# Altium PCB Weather_Station_ETH_HERMETIC.PcbDoc (part 3 of 5)
Units mil, origin at the board's own origin, x right, y up, seen from the top; angles counter-clockwise.
Board outline 6385.86 x 4338.61 mil, 2 copper layers (TopLayer, BottomLayer), stack 61.855 mil thick; 510 components, 370 nets, 1634 pads, 870 vias.
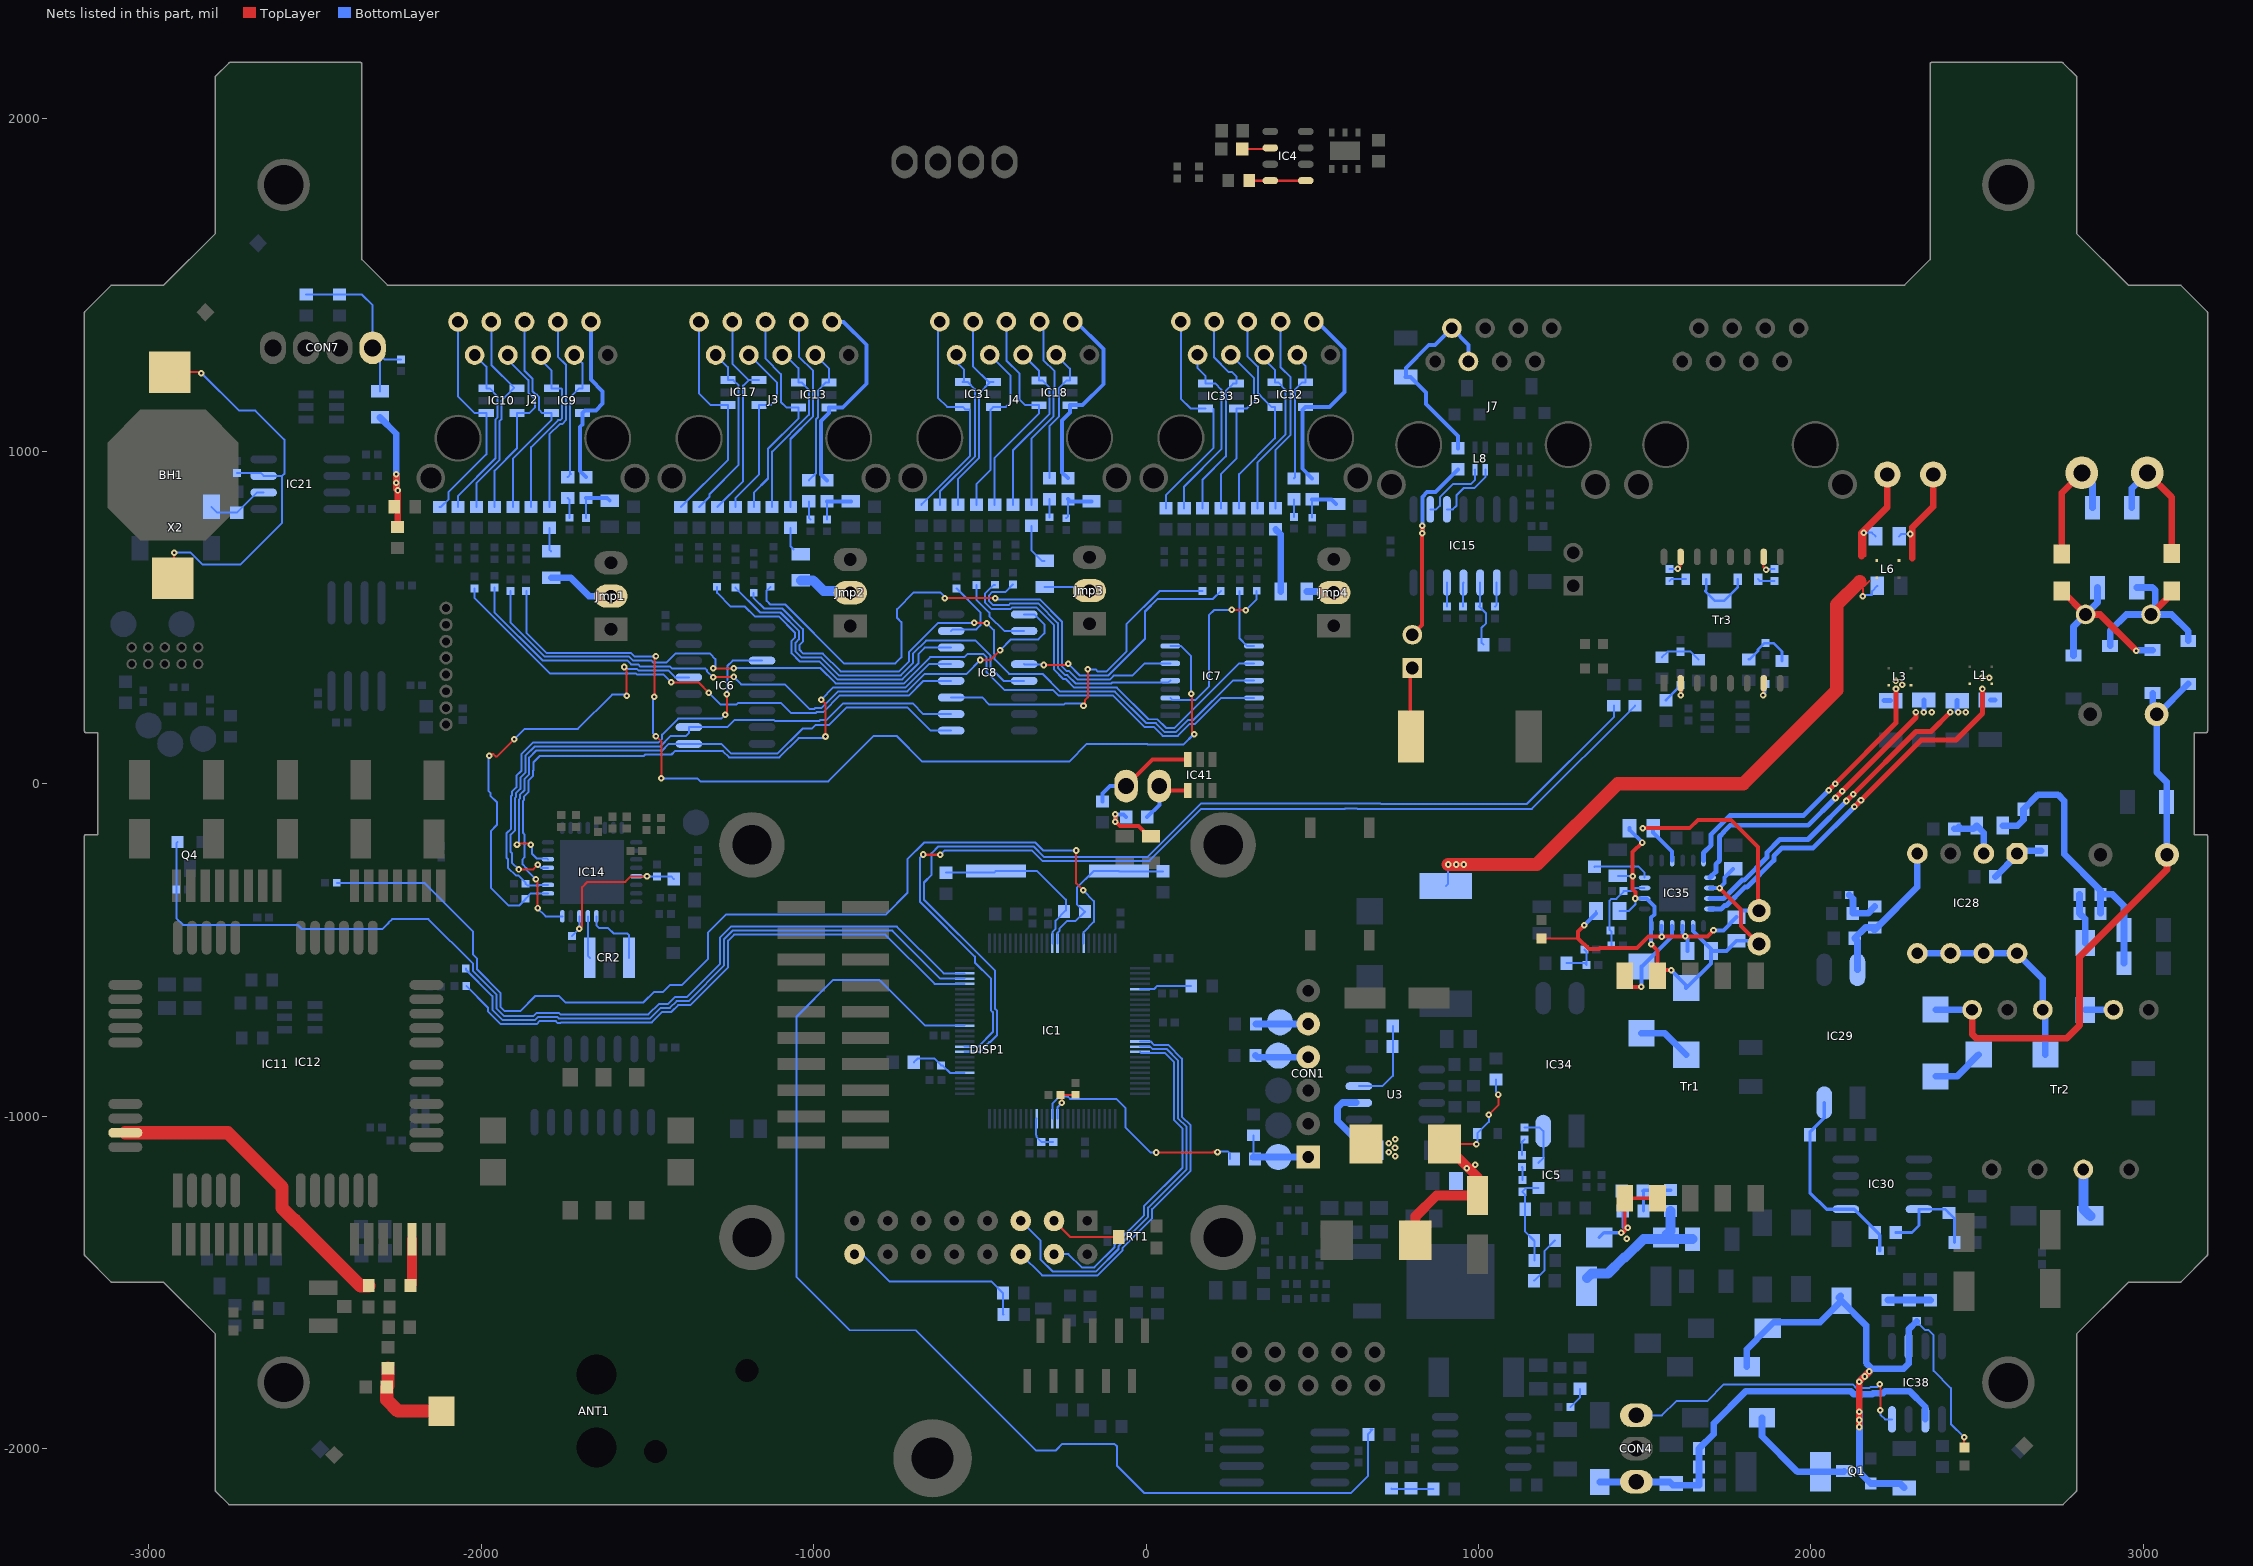
[diagram p3: the nets of this part, all layers, seen from the top]

## Via types
v1: diameter 19.68, hole 7.87, TopLayer to BottomLayer, tented both sides, 857 vias
v2: diameter 31.5, hole 15.75, TopLayer to BottomLayer, tented top, 9 vias
v3: diameter 25.98, hole 12.99, TopLayer to BottomLayer, tented top, 4 vias

## Nets (pads, with @x,y where several pads share a name; then routed paths per layer and width w, separated by ;. In a path a pad name is that pad's centre, name@x,y a point inside that pad or via, vN(x,y) a via of type N, cw(c..) or ccw(c..) an arc to the next point about the centre after c; other vN are vias at no path point) (continued)
LCD_E: DISP1.6 IC1.90 | length 1184
  BottomLayer w6: DISP1.6@-376.66,-1415.1 -312.66,-1479.1 -145.31,-1479.1 -70.8,-1404.59 -70.8,-1396.93 18.5,-1307.63 18.5,-1279.94 134.02,-1164.42 134.02,-1027.55 108,-1001.53 108,-826.97 66.66,-785.63 23.85,-785.63 13.54,-775.32 IC1.90@-18.13,-775.32
LCD_R/W: DISP1.5 IC1.91 | length 1212.3
  BottomLayer w6: DISP1.5@-376.66,-1315.1 -316.66,-1375.1 -316.66,-1431.67 -281.23,-1467.1 -150.28,-1467.1 -82.8,-1399.62 -82.8,-1391.95 6.5,-1302.66 6.5,-1274.97 122.02,-1159.45 122.02,-1032.52 96,-1006.5 96,-831.94 61.69,-797.63 18.88,-797.63 12.32,-791.07 IC1.91@-18.13,-791.07
LCD_RS: DISP1.4 IC1.92 | length 991.4
  BottomLayer w6: DISP1.4@-276.66,-1415.1 -233.23,-1415.1 -193.23,-1455.1 -155.25,-1455.1 -94.8,-1394.65 -94.8,-1386.98 -5.5,-1297.69 -5.5,-1270 110.02,-1154.48 110.02,-1037.49 84,-1011.47 84,-836.91 56.71,-809.63 -15.32,-809.63 IC1.92@-18.13,-806.82
LEDA: IC1.35 R10.2 | length 3086.7
  TopLayer w8: v1(-670,-213) -669,-214 v1(-619,-214)
  BottomLayer w6: v1(-670,-213) -679.84,-222.84 -679.84,-355.16 -515,-520 -515,-537.93 -466,-586.93 -466,-682.35 -460.16,-688.2 -460.16,-746.8 -504.42,-791.07 IC1.35@-545.69,-791.07 ; v1(-619,-214) -605.84,-200.84 -343.01,-200.84 -312.01,-231.84 10.01,-231.84 166.28,-75.57 276.91,-75.57 277.34,-76 598.41,-76 599.25,-75.16 634.75,-75.16 635.59,-76 1160.5,-76 R10.2@1471,234.5
LEDB: IC1.34 R21.2 | length 3050.1
  BottomLayer w6: IC1.34@-545.69,-806.82 -498.82,-806.82 -482.84,-790.84 -482.84,-788.2 -471.8,-777.16 -469.16,-777.16 -448.16,-756.16 -448.16,-683.22 -454,-677.38 -454,-562.62 -667.84,-348.77 -667.84,-297.2 -645,-274.35 -645,-209 -624.84,-188.84 -338.04,-188.84 -307.04,-219.84 5.04,-219.84 164.88,-60 705.88,-60 706.88,-61 1146,-61 1407,200 R21.2@1407,234.5
M\C\L\R\: IC1.13 R4.1 | length 713
  TopLayer w6: v1(31.17,-1109.32) 200.68,-1109.32 203,-1107 214,-1107 v1(215,-1108)
  BottomLayer w6: IC1.13@-281.91,-1007.6 -281.91,-962.26 -260.8,-941.16 -234.84,-941.16 -228,-948 -89.37,-948 -61,-976.37 -61,-1034.62 13.38,-1109 24.17,-1109 24.49,-1109.32 v1(31.17,-1109.32) ; v1(215,-1108) 216,-1107 247,-1107 253.01,-1113.01 R4.1@253.01,-1129
MODEM_POW_ON: IC1.39 R58.1 | length 3603.4
  BottomLayer w6: IC1.39@-545.69,-728.08 -663.92,-728.08 -801.84,-590.16 -940.16,-590.16 -1051.84,-701.84 -1051.84,-1483.17 -891.01,-1644 -692,-1644 -331,-2005 -270.71,-2005 -251.4,-1985.69 -94.87,-1985.69 -87.16,-1993.4 -87.16,-2051.81 -5.97,-2133 617,-2133 668,-2082 668,-1956 681,-1943 680,-1942 675,-1942 R58.1@676,-1943
NetANT1_1: ANT1.1 C46.1 L9.2 | length 275.1
  TopLayer w40: L9.2@-2280,-1757.99 -2280,-1811.5 C46.1@-2283.5,-1815 -2283.5,-1853.5 -2249.95,-1887.05 ANT1.1@-2119.29,-1887.05
NetBH1_pos1: BH1.pos1 BH1.pos2 C34.1 IC21.3 | length 1289.8
  TopLayer w6: BH1.pos2@-2936,1238 -2845,1238 v1(-2842,1235) ; BH1.pos1@-2927,618 -2923,622 v1(-2923,695)
  BottomLayer w6: v1(-2923,695) -2873.72,695 -2838.72,660 -2723,660 -2598.22,784.78 -2598.22,925.78 ; v1(-2842,1235) -2841,1235 -2728,1122 -2679,1122 -2592,1035 -2592,932 -2598.22,925.78 ; C34.1@-2733.69,935 -2663.36,935 IC21.3@-2654.14,925.78 -2598.22,925.78
NetC4_2: C4.2 C32.2 IC1.16 | length 112.9
  BottomLayer w6: IC1.16@-329.15,-1007.6 -330.73,-1009.18 -330.73,-1057.04 -329.15,-1058.62 -329.15,-1063.13 C32.2@-315,-1077.28 C4.2@-279,-1077.28
NetC5_1: C5.1 D20.K L2.1 R111.2 | length 446.4
  BottomLayer w30: L2.1@1326.59,-1487 1339.59,-1474 1389,-1474 1438,-1425 1441,-1425 1496,-1370 C5.1@1644,-1370 ; D20.K@1563.39,-1360 1578,-1345.39 R111.2@1578,-1285.5
NetC6_2: C6.2 IC4.2 | length 85.4
  TopLayer w6: C6.2@289.98,1909 370.57,1909 IC4.2@374,1912.43
NetC12_1: C12.1 C19.1 L4.1 L5.2 R20.2 R31.2 | length 812.3
  TopLayer w6: L5.2@898.11,-1084 991,-1084 992,-1085 v1(994,-1085) ; v1(1031,-996) 1060,-967 v1(1060,-935)
  TopLayer w30: L4.1@811.11,-1384 811.11,-1300.89 873.58,-1238.42 C19.1@997,-1238.42 997,-1182.89 L5.2@898.11,-1084
  BottomLayer w6: v1(994,-1085) 996.49,-1082.51 R31.2@996.49,-1052 1031,-1017.49 v1(1031,-996) ; R20.2@1053,-889.5 1053,-928 v1(1060,-935)
  other v1: 965,-1157 990,-1146
NetC13_2: C13.2 IC35.11 L3.2 | length 956.7
  TopLayer w15: v1(2074,-43) 2316,199 v1(2316,215)
  BottomLayer w15: IC35.11@1696.68,-282.33 1714,-265.01 1714,-242.68 1724.94,-231.74 1724.94,-158.87 1737.34,-146.47 1737.34,-144.65 1756.99,-125 1992,-125 v1(2074,-43) v1(2094,-23) ; v1(2339.57,214.57) C13.2@2339.57,251.48
  other v1: 2364,215
NetC14_1: C14.1 IC35.10 L3.3 | length 931.6
  TopLayer w15: v1(2053.73,-19.27) v1(2073,0) 2256,183 v1(2256,285)
  BottomLayer w15: IC35.10@1676.99,-231.15 1676.99,-208.01 1699.85,-185.15 1699.85,-152.44 1757.29,-95 1978,-95 v1(2073,0) ; C14.1@2220.54,249.54 C14.1@2239.57,249.54
  other v1: 2275,298 2255,309
NetC18_1: C18.1 IC21.2 X2.4 | length 189.1
  BottomLayer w6: X2.4@-2811,833 -2793.5,815.5 C18.1@-2735,815.5 -2674.73,875.78 IC21.2@-2654.14,875.78
NetC21_1: C21.1 J1.2 L6.1 | length 313.5
  TopLayer w20: 2305,679 2305,771 2367.8,833.8 J1.2@2367.8,930
  BottomLayer w6: C21.1@2265.43,744.02 2272.42,751 v1(2299,751)
NetC21_2: C21.2 J1.1 L6.4 | length 398.4
  TopLayer w6: 2164,685 2164,766
  TopLayer w20: 2152,685 2152,754 2164,766 2230,832 J1.1@2230,930
  BottomLayer w6: v1(2159,755) 2183.58,755 C21.2@2194.57,744.02
NetC23_1: C23.1 F3.1 L6.3 | length 1919.3
  TopLayer w6: v1(2156,564) 2156,589 ; 2161,594 2176,609
  TopLayer w40: v1(909,-243) v1(933,-243) v1(956,-243) 1176,-243 1419,0 1797,0 2078,281 2078,539 2147,608
  BottomLayer w6: F3.1@902,-307.83 909,-300.83 v1(909,-243) ; v1(2156,564) 2159,567 2184,567 2184,579.43 C23.1@2199.57,595
NetC29_2: C29.2 FB1.1 IC1.30 | length 176.3
  BottomLayer w6: FB1.1@-698.5,-838 -687.3,-826.8 -635.78,-826.8 -616.28,-846.3 C29.2@-616.28,-848 -611.28,-848 -589.48,-869.81 IC1.30@-545.69,-869.81
NetC30_2: C30.2 C111.2 U3.3 | length 265
  BottomLayer w6: U3.3@640,-910 711,-910 742.5,-878.5 C111.2@742.5,-729
NetC36_1: C36.1 C47.1 C261.1 C264.1 C265.1 C269.1 D21.K IC35.2 IC35.12 IC35.16 IC35.20 R144.1 Tr1.2 | length 1490.7
  TopLayer w12: v1(1471.68,-345.32) 1471.68,-325.68 1464,-318 v1(1464,-278) 1464,-206 v1(1493,-177) ; v1(1520,-483) 1538.39,-501.39 Tr1.2@1538.39,-577.35 1554.75,-561 v1(1580,-561) ; v1(1725.17,-313.83) 1790,-378.65 1790,-428 C36.1@1844,-482
  BottomLayer w6: R144.1@1419,-277.37 v1@1463.37,-277.37 ; C265.1@1424.43,-383 1452,-383 1471.68,-363.32 v1(1471.68,-345.32) ; v1@1519.51,-482.51 v1(1520,-483)
  BottomLayer w12: C264.1@1454.57,-134 1454.57,-138.57 v1(1493,-177) ; v1(1471.68,-345.32) IC35.2@1499.83,-345.32 1505.87,-345.32 1529.54,-368.99 1529.54,-393 1519.51,-403.03 IC35.20@1519.51,-428 v1@1519.51,-482.51 ; v1(1580,-561) 1580,-562 1625,-607 D21.K@1625,-614.76 1699.43,-540.32 C47.1@1699.43,-503 ; IC35.16@1645.5,-428 1645.5,-443.5 1699.43,-497.43 C47.1@1699.43,-503 ; IC35.12@1696.68,-313.83 v1(1725.17,-313.83) 1740,-299 1740,-282 C269.1@1766,-256 ; C36.1@1844,-482 1834.43,-472.43 C261.1@1776,-472.43 1745.43,-503 C47.1@1699.43,-503
NetC36_2: C36.2 C47.2 C261.2 C264.2 C265.2 IC35.7 IC35.17 IC35.19 LED9.K | length 1638.8
  TopLayer w6: LED9.K@1190,-465 1300,-465
  TopLayer w12: v1(1318,-426) 1300,-444 1300,-465 1332.84,-497.84 1363.05,-497.84 ; 1366.05,-494.84 1476.4,-494.84 1511.24,-460 v1(1551,-460) ; v1(1494,-134) 1635.16,-134 1660,-109.16 1759.27,-109.16 1841,-190.89 1841,-379 C36.2@1844,-382 ; v1@1552,-459 v1(1622,-459) 1689,-459 v1(1707,-441)
  BottomLayer w6: C265.2@1353.57,-390.43 C265.2@1353.57,-383 ; IC35.7@1580,-228.65 IC35.7@1582.5,-231.15
  BottomLayer w12: v1(1318,-426) C265.2@1353.57,-390.43 ; v1(1494,-134) C264.2@1525.43,-134 1525.43,-146.8 1582.5,-203.87 IC35.7@1582.5,-231.15 ; v1(1551,-460) IC35.19@1551.01,-428 ; IC35.17@1614,-428 1614,-451 v1(1622,-459) 1628.57,-465.57 C47.2@1628.57,-503 ; v1(1707,-441) 1736.57,-441 C261.2@1776,-401.57 ; C261.2@1795.57,-382 C36.2@1844,-382
NetC39_2: C39.2 IC1.63 R24.1 X1.1 | length 546.3
  BottomLayer w6: C39.2@-601,-267.5 -456.57,-267.5 X1.1@-451.67,-262.6 -328.6,-262.6 -328,-262 -240.99,-349.01 -240.99,-380.99 -271.6,-411.6 -271.6,-436.85 -281.91,-447.15 IC1.63@-281.91,-480.04
NetC40_2: C40.2 IC1.64 R24.2 X1.2 | length 506.8
  BottomLayer w6: IC1.64@-266.16,-480.04 -266.16,-448.38 -259.6,-441.82 -259.6,-435.48 -237.8,-413.68 -212.19,-413.68 R24.2@-183.5,-385 ; R24.2@-184.25,-385.75 -207.84,-362.16 -207.84,-313.2 -157.25,-262.6 X1.2@-81.67,-262.6 -80.77,-263.5 C40.2@51,-263.5
NetC41_1: C41.1 C49.1 FB3.2 IC14.6 IC14.29 | length 521.8
  TopLayer w6: v1(-1704.39,-436.39) -1696,-428 -1696,-311 -1680,-295 -1566,-295 -1549.8,-278.8 v1(-1501,-278.8)
  BottomLayer w6: C41.1@-1726,-458 v1(-1704.39,-436.39) IC14.6@-1704.39,-398.87 ; IC14.29@-1533.13,-278.8 v1(-1501,-278.8) -1428.2,-278.8 FB3.2@-1420,-287
NetC43_1: C43.1 R41.2 | length 51
  BottomLayer w6: R41.2@1841.02,615 1846.02,610 C43.1@1890,610
NetC43_2: C43.2 Tr3.10 | length 66.8
  TopLayer w6: Tr3.10@1858,682.31 1858,651 v1(1865,644)
  BottomLayer w6: v1(1865,644) 1866.43,645.43 C43.2@1890,645.43
NetC44_1: C44.1 R94.2 | length 51
  BottomLayer w6: C44.1@1575,610 1580,615 R94.2@1623.98,615
NetC44_2: C44.2 Tr3.15 | length 64.9
  TopLayer w6: v1(1600,646) 1608,654 Tr3.15@1608,682.31
  BottomLayer w6: C44.2@1575,645.43 1599.43,645.43 v1(1600,646)
NetC50_1: C50.1 C268.1 R138.1 | length 110.6
  BottomLayer w6: R138.1@1265,-540 1320,-540 C50.1@1325,-545 1325,-505 C268.1@1319,-499
NetC54_1: C54.1 IC35.3 R7.2 R128.2 | length 259
  BottomLayer w6: R7.2@1399.57,-487 1399.57,-444.28 R128.2@1397.28,-442 1394.76,-439.48 1394.76,-351.71 1400.04,-346.44 1414.98,-346.44 1436.72,-324.7 C54.1@1436.72,-323 1463,-323 1472.17,-313.83 IC35.3@1499.83,-313.83
NetC55_1: C55.1 IC35.4 | length 173.1
  BottomLayer w6: C55.1@1349,-250.01 1349.34,-249.67 1481.93,-249.67 1499.83,-267.57 IC35.4@1499.83,-282.33
NetC57_1: C57.1 J9.1 L11.1 | length 387
  TopLayer w20: L11.1@2755,691.1 2755,875 J9.1@2815,935
  BottomLayer w20: J9.1@2815,935 2846.89,903.11 C57.1@2846.89,830
NetC57_2: C57.2 J9.2 L10.1 | length 397.5
  TopLayer w20: J9.2@3011.85,935 3085,861.85 L10.1@3085,692.2
  BottomLayer w20: C57.2@2965,830 2965,888.15 J9.2@3011.85,935
NetC61_2: C61.2 R62.1 | length 66.7
  BottomLayer w6: R62.1@1276.72,-1875 1305,-1846.72 C61.2@1305,-1820
NetC63_1: C63.1 C112.1 R61.1 | length 126.9
  BottomLayer w6: C63.1@738,-2120 739,-2121 R61.1@864.5,-2121
NetC65_1: C65.1 R41.1 R94.1 | length 187.1
  BottomLayer w8: R94.1@1685,615 1685,582.94 1682,579.94 1711.94,550 C65.1@1725,550 1738.06,550 1780,591.94 R41.1@1780,615
NetC67_1: C67.1 C68.1 R72.1 R73.1 R157.1 R162.2 | length 890.2
  BottomLayer w20: R162.2@2577.37,-126 2622,-126 2639.5,-108.5 R72.1@2639.5,-77 2683.5,-33 2743,-33 2762,-52 2762,-212 2871,-321 R157.1@2871,-333 ; R73.1@2870.87,-390 2870.87,-333.13 R157.1@2871,-333 ; C68.1@2941.94,-540 C67.1@2941.94,-440 2941.94,-367.94 2907,-333 R157.1@2871,-333
NetC69_1: C69.1 C86.1 IC29.2 IC30.1 R158.2 | length 598.5
  BottomLayer w10: IC29.2@2040,-960 2040,-1005 1997.01,-1047.99 R158.2@1997.01,-1056 1997.01,-1230.01 2047,-1280 IC30.1@2105,-1280 2130,-1280 2207.28,-1357.28 C69.1@2207.28,-1405
NetC70_1: C70.1 C71.1 R145.1 | length 133.6
  BottomLayer w20: C70.1@2115.43,-335 2126.5,-346.06 C71.1@2126.5,-390 2171.5,-390 R145.1@2192,-369.5
NetC72_1: C72.1 IC28.4 IC29.4 R145.2 | length 463.4
  BottomLayer w20: IC29.4@2140,-560 2140,-473.5 C72.1@2131.5,-465 2164,-432.5 R145.2@2192,-432.5 R145.2@2198.5,-432.5 ; R145.2@2190,-440 2191,-440 R145.2@2198.5,-432.5 ; IC28.4@2320,-210 2320,-311 R145.2@2198.5,-432.5
NetC73_2: C73.2 R89.1 R90.1 | length 127
  BottomLayer w6: R89.1@1552,380 1569,397 C73.2@1608,397 1638,397 R90.1@1662,373
NetC74_2: C74.2 R91.1 R92.1 | length 161.8
  BottomLayer w8: R91.1@1813,373.81 1815.5,373.81 1840.8,399.11 1840.8,403.66 1859.88,422.74 C74.2@1863,422.74 1887.26,422.74 1913,397 R92.1@1913,368.81
NetC75_2: C75.2 FB2.2 Tr3.2 | length 131.6
  TopLayer w8: Tr3.2@1608,302.31 1609,301.31 v1(1609,266)
  BottomLayer w8: FB2.2@1564,251.5 1608,295.5 C75.2@1608,296.88 1609,295.88 v1(1609,266)
NetC76_2: C76.2 Tr3.7 | length 73.6
  TopLayer w6: v1(1856,266) 1858,268 Tr3.7@1858,302.31
  BottomLayer w6: v1(1856,266) 1863,273 C76.2@1863,299.59
NetC78_1: C78.1 C79.1 C85.2 D6.A D10.K D11.K Tr2.6 | length 1786.6
  TopLayer w20: Tr2.6@2484.8,-680 2484.8,-752.8 2498,-766 2769,-766 2808,-727 2808,-521 3071,-258 C78.1@3071,-214
  BottomLayer w20: D6.A@2375,-679.61 2484.41,-679.61 Tr2.6@2484.8,-680 ; D10.K@3028,272.43 3028,221 C79.1@3040,209 ; C78.1@3071,-214 3070.06,-213.06 C85.2@3070.06,-55 3070.06,4.94 3040,35 C79.1@3040,209 ; D11.K@3135,300.43 3043.57,209 C79.1@3040,209
NetC80_2: C80.2 IC28.1 R161.1 | length 173.4
  BottomLayer w20: C80.2@2555,-280 2620,-215 IC28.1@2620,-210 2628.5,-201.5 R161.1@2693,-201.5
NetC81_2: C81.2 IC28.2 R162.1 | length 169.4
  BottomLayer w20: C81.2@2431.5,-136 2488.63,-136 R162.1@2498.63,-126 2520,-147.37 IC28.2@2520,-210 ; C81.2@2445,-130 C81.2@2448.74,-133.74
NetC82_1: C82.1 D10.A D12.K L11.2 VR2.2 | length 582.6
  TopLayer w20: L11.2@2755,578.9 2756.25,578.9 VR2.2@2826.15,509 2870,509 v1(2979,400)
  BottomLayer w20: D12.K@2790,385 2790,472.85 VR2.2@2826.15,509 2861.94,544.8 C82.1@2861.94,590 ; v1(2979,400) 2980.57,401.57 D10.A@3028,401.57
NetC82_2: C82.2 D11.A D14.K L10.2 VR2.1 | length 584.6
  TopLayer w20: VR2.1@3023,509 3085,571 L10.2@3085,580
  BottomLayer w20: D14.K@2900,414.57 2900,460 2949,509 VR2.1@3023,509 ; C82.2@2980.06,590 3027,590 3036,581 3036,522 VR2.1@3023,509 ; D11.A@3135,429.57 3135,459 3085,509 VR2.1@3023,509
NetC86_2: C86.2 IC30.8 R146.2 R148.1 | length 318
  BottomLayer w8: C86.2@2255,-1350 2304,-1350 2325,-1329 IC30.8@2325,-1280 2403.5,-1280 R148.1@2415,-1291.5 2432.01,-1308.5 R146.2@2432.01,-1380
NetC88_2: C88.2 C89.1 D2.K D5.K D17.K IC38.2 LED3.A Q1.2 | length 1920.8
  TopLayer w6: v1(2461,-1966) 2461,-1995 LED3.A@2462,-1996
  TopLayer w20: v1(2145,-1935) v1(2145,-1799) v1(2176,-1768)
  BottomLayer w6: C89.1@2318.28,-1617 2318.28,-1618.7 2342.58,-1643 2352.7,-1643 2369,-1659.3 2369,-1766 2421,-1818 2421,-1926 v1(2461,-1966)
  BottomLayer w20: D17.K@1807.39,-1754 1807.39,-1701 D2.K@1870.39,-1638 1888.39,-1620 2027.39,-1620 D5.K@2092,-1555.39 2166,-1629.39 2166,-1742 2184,-1760 ; D5.K@2083.3,-1546.7 D5.K@2090,-1540 ; v1(2145,-1889) 2146,-1890 2146,-2071 Q1.2@2180,-2105 2267.89,-2105 C88.2@2281,-2118.11 ; v1(2145,-1799) v1(2176,-1768) 2184,-1760 ; C89.1@2318.28,-1617 2294,-1641.28 IC38.2@2294,-1692 2294,-1745 2279,-1760 2184,-1760
  other v1: 2145,-1914 2161.86,-1783.14
NetC90_1: C90.1 C105.1 R77.1 | length 128.4
  BottomLayer w20: R77.1@2232,-1553.01 2359.01,-1553.01 C90.1@2360,-1554
NetC91_1: C91.1 CON4.3 D19.A IC38.6 R126.1 R127.1 R131.1 | length 1249
  BottomLayer w20: D19.A@1365,-2100.39 1575.39,-2100.39 C91.1@1580,-2105 1585,-2110 R126.1@1663.5,-2110 R127.1@1663.5,-2055 R131.1@1663.5,-2000 1707.58,-1955.92 1707.58,-1924.12 1804.71,-1827 2119.26,-1827 2129.26,-1837 2183.68,-1837 2187.53,-1833.16 2217.39,-1833.16 2223.55,-1827 2297,-1827 2344,-1874 IC38.6@2344,-1912
NetC92_2: C92.2 CON7.1 F6.1 R135.1 R136.1 | length 549.5
  BottomLayer w6: R136.1@-2526,1471.5 R135.1@-2426,1471.5 -2358.5,1471.5 -2326,1439 CON7.1@-2326,1311 CON7.1@-2304,1289 ; F6.1@-2304,1180.37 CON7.1@-2304,1289 ; C92.2@-2241,1276.22 -2291.22,1276.22 CON7.1@-2304,1289
NetC106_1: C106.1 C260.1 D20.A Tr1.9 Tr1.10 | length 394.3
  TopLayer w10: v1@1436,-1351 1439.97,-1347.03 Tr1.10@1439.97,-1246.65 Tr1.9@1538.39,-1246.65
  BottomLayer w10: D20.A@1363.61,-1365 1377.61,-1351 v1@1436,-1351 ; C106.1@1431.01,-1225 1431.01,-1282.5 C260.1@1433.5,-1285 1435,-1286.5 1435,-1335
  other v1: 1446,-1369 1429,-1351 1449,-1336
NetC106_2: C106.2 C260.2 R111.1 | length 146.1
  BottomLayer w10: C260.2@1496.5,-1285 1496.5,-1227.5 C106.2@1494,-1225 1496.5,-1222.5 R111.1@1578,-1222.5
NetC108_1: C108.1 R141.1 | length 51.2
  BottomLayer w6: C108.1@1131,-1117.57 1131,-1077.72 R141.1@1139,-1069.72
NetC108_2: C108.2 C110.1 | length 39.4
  BottomLayer w6: C108.2@1131,-1153 1132,-1154 C110.1@1132,-1192
NetC110_2: C110.2 IC5.1 R139.1 R140.1 R142.2 | length 274.2
  BottomLayer w6: R139.1@1168.01,-1434 1168.01,-1375 R140.1@1167.01,-1374 1140.5,-1347.5 R142.2@1140.5,-1280 1140.5,-1235.94 C110.2@1132,-1227.43 1143.43,-1216 IC5.1@1180,-1216
NetC113_1: C113.1 FB45.2 J7.2 J7.3 | length 634.9
  BottomLayer w12: J7.2@911.27,1370 J7.2@920,1370 ; FB45.2@939,1008.5 939,1046.03 842.51,1142.51 842.51,1176.49 796.06,1222.94 C113.1@782,1222.94 ; J7.3@970,1270 970,1320 J7.2@920,1370 ; C113.1@782,1222.94 C113.1@782,1223.94 ; C113.1@782,1222.94 C113.1@781,1222.94 C113.1@782,1223.94 ; C113.1@782,1223.94 782,1251 850.49,1319.49 869.49,1319.49 J7.2@920,1370
NetC114_2: C114.2 IC1.12 R173.2 | length 124.2
  TopLayer w6: v1(-253,-960) -253,-940.28 C114.2@-257.28,-936 -212.28,-936 R173.2@-212,-935.72
  BottomLayer w6: IC1.12@-266.16,-1007.6 -266.16,-973.16 v1(-253,-960)
NetC141_2: C141.2 IC35.14 L1.2 | length 1186.8
  TopLayer w15: v1(2131,-69) 2331.43,131.43 2436.43,131.43 2516,211 v1(2516,285)
  BottomLayer w15: IC35.14@1696.68,-376.82 1729.89,-376.82 1740.39,-366.32 1746.33,-366.32 1801.49,-311.17 1807.85,-311.17 1888.3,-230.72 1888.3,-217.69 1912.99,-193 2007,-193 v1(2131,-69) v1(2150.71,-49.29) ; C141.2@2539.57,251.48 C141.2@2554.09,251.48
  other v1: 2515,318 2536,319
NetC143_1: C143.1 IC35.13 L1.3 | length 1031.7
  TopLayer w15: v1(2106.89,-52.11) v1(2127,-32) 2316,157 2361,157 v1(2419,215)
  BottomLayer w6: C143.1@2439.57,249.54 C143.1@2443.57,253.54
  BottomLayer w15: IC35.13@1696.68,-345.32 1737.63,-345.32 1792.79,-290.17 1799.15,-290.17 1867.3,-222.02 1867.3,-207.3 1906.6,-168 1991,-168 v1(2127,-32) ; v1@2439.57,215 C143.1@2439.57,249.54
  other v1: 2443,215 2466,215
NetC266_1: C266.1 R140.2 | length 147.7
  BottomLayer w6: C266.1@1167.01,-1495 1168,-1495 1198,-1465 1198,-1406 R140.2@1230,-1374
NetCON1_1: CON1.1 R3.1 R4.2 TP1.1 | length 239.9
  BottomLayer w6: R4.2@316,-1129 322.31,-1122.69 323,-1122 R3.1@323,-1057.69
  BottomLayer w20: R4.2@322.31,-1122.69 TP1.1@398,-1122.69 CON1.1@488,-1122.69
NetCON1_4: CON1.4 R11.2 TP4.1 | length 160.6
  BottomLayer w20: R11.2@329.5,-817.69 334.5,-822.69 CON1.4@488,-822.69
NetCON1_5: CON1.5 R12.2 TP3.1 | length 157
  BottomLayer w20: R12.2@330.99,-722.69 CON1.5@488,-722.69
NetCON4_1: CON4.1 IC38.8 | length 912.3
  TopLayer w6: v1(2207,-1807) 2209,-1809 v1(2209,-1885)
  BottomLayer w6: CON4.1@1475,-1900 1552,-1900 1595,-1857 1688.35,-1857 1738.35,-1807 2126.13,-1807 2137.13,-1818 2175.81,-1818 2179.66,-1814.16 2199.84,-1814.16 v1(2207,-1807) ; v1(2209,-1885) 2209,-1898 2223,-1912 IC38.8@2244,-1912